# KiCad board hvd-50-ce-panel.kicad_pcb (continued)
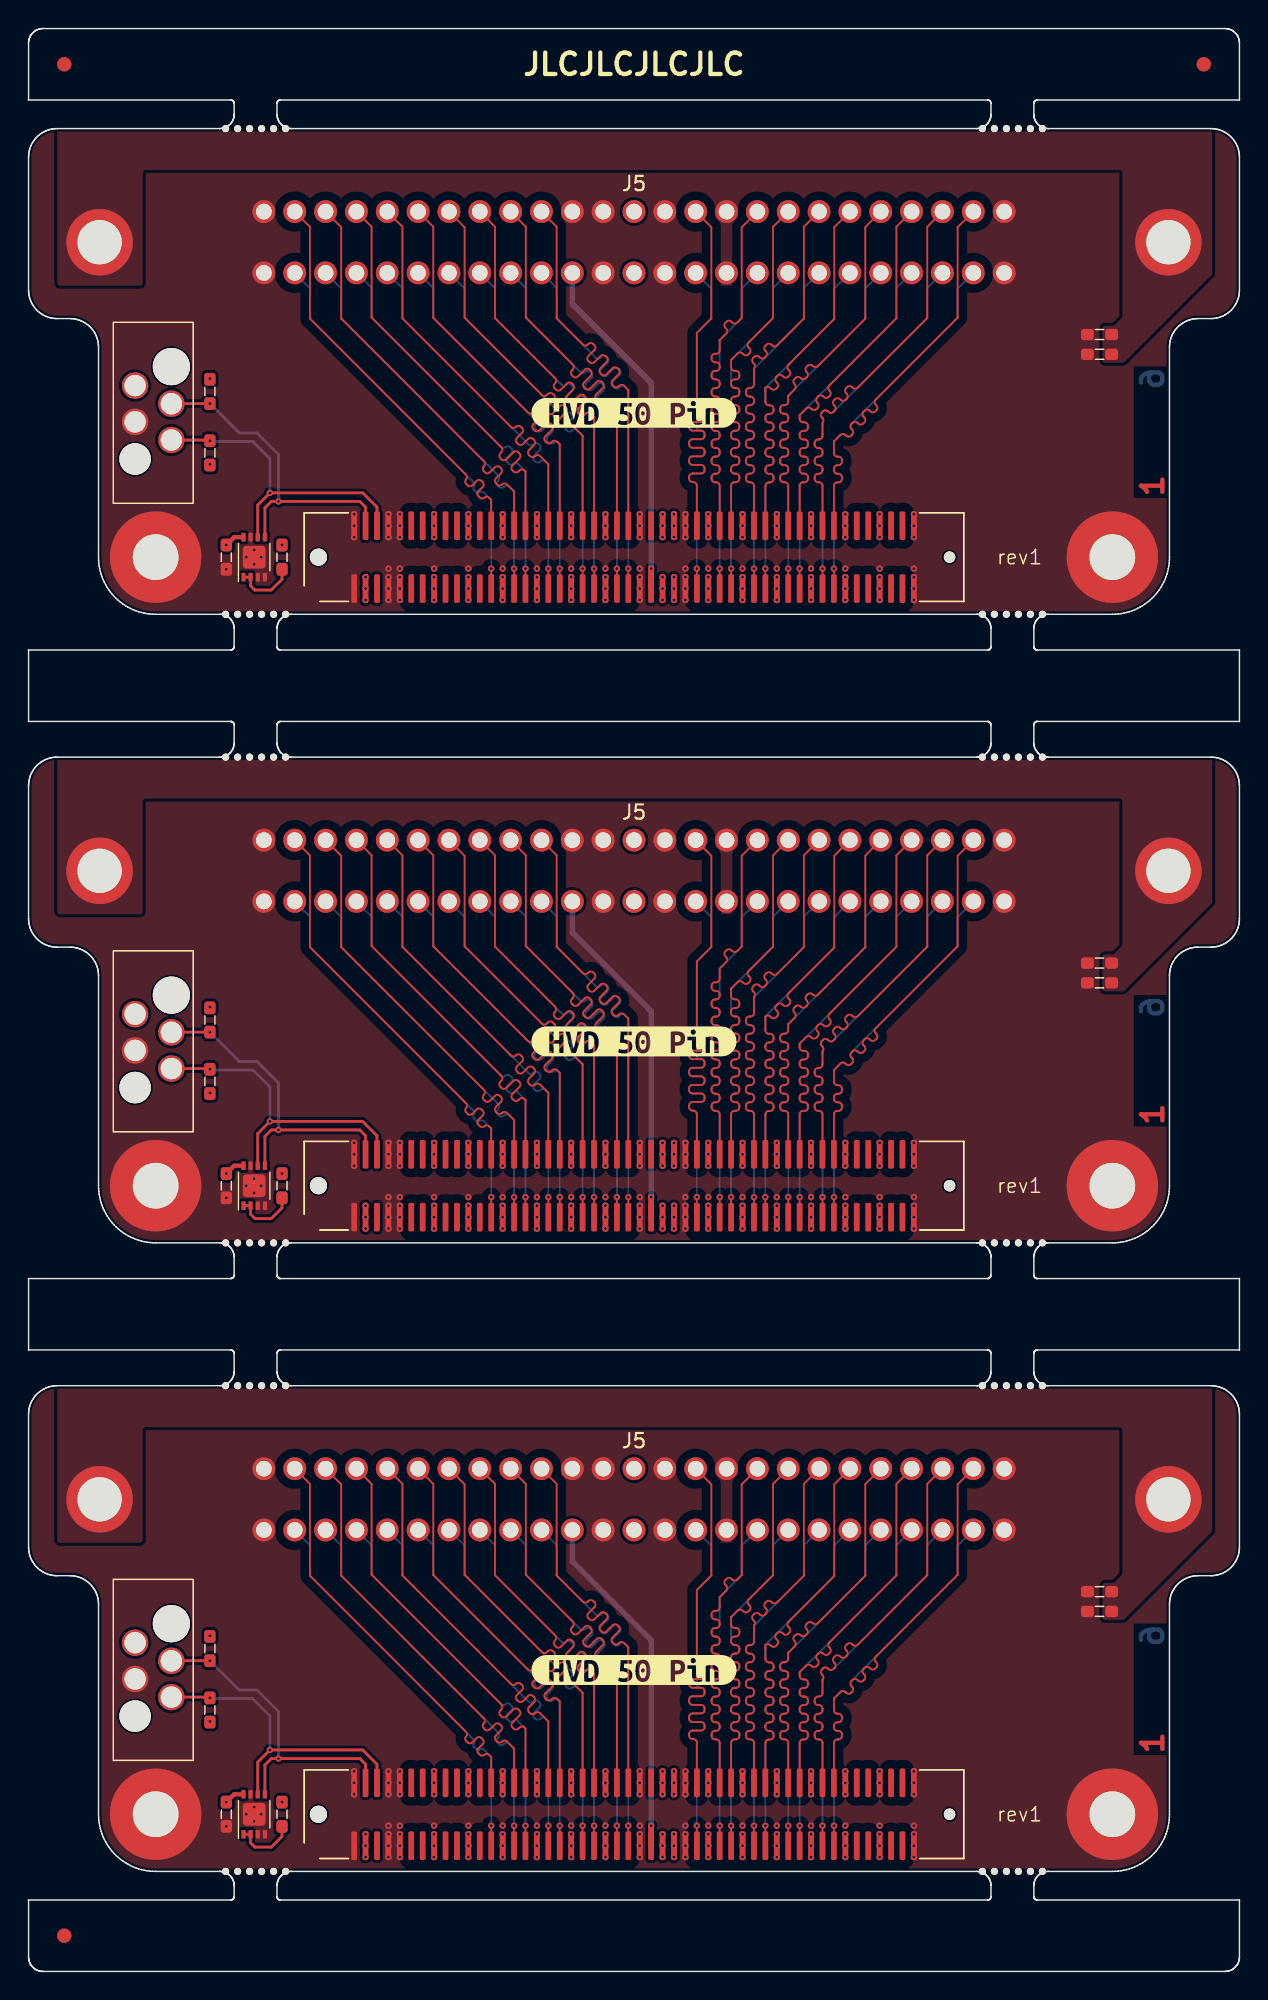
[diagram p0: board, top side]
## Routing (per net, layer and track width the routed paths; a pad name or vN(x,y) marks a point on that pad's centre or on a via; arc(x,y) is an arc through that point) (continued)
Board_2-/CON.REQ+: length 28.2
  Top w0.128: J1#3.83 v1(55.6,10.2)
  Bottom w0.128: v1(55.6,10.2) 55.6,15.99 arc(55.53,16.16) 55.36,16.23 55.31,16.23 arc(55.14,16.3) 55.07,16.47 55.07,16.59 arc(55.14,16.76) 55.31,16.83 55.36,16.83 arc(55.53,16.9) 55.6,17.07 55.6,17.19 arc(55.53,17.36) 55.36,17.43 55.31,17.43 arc(55.14,17.5) 55.07,17.67 55.07,17.79 arc(55.14,17.96) 55.31,18.03 55.36,18.03 arc(55.53,18.1) 55.6,18.27 55.6,18.39 arc(55.53,18.56) 55.36,18.63 55.31,18.63 arc(55.14,18.7) 55.07,18.87 55.07,18.99 arc(55.14,19.16) 55.31,19.23 55.36,19.23 arc(55.53,19.3) 55.6,19.47 55.6,20.4 arc(55.67,20.57) 55.6,20.74 55.56,20.78 arc(55.49,20.95) 55.56,21.12 55.65,21.2 arc(55.82,21.27) 55.99,21.2 56.02,21.17 arc(56.19,21.1) 56.36,21.17 56.45,21.25 62.94,27.74 62.94,29.84 J5.23
Board_2-/CON.REQ-: length 29.6
  Top w0.128: J1#3.84 55.6,16 arc(55.53,16.17) 55.36,16.24 55.29,16.24 arc(55.12,16.31) 55.05,16.48 55.05,16.6 arc(55.12,16.77) 55.29,16.84 55.36,16.84 arc(55.53,16.91) 55.6,17.08 55.6,17.2 arc(55.53,17.37) 55.36,17.44 55.29,17.44 arc(55.12,17.51) 55.05,17.68 55.05,17.8 arc(55.12,17.97) 55.29,18.04 55.36,18.04 arc(55.53,18.11) 55.6,18.28 55.6,18.4 arc(55.53,18.57) 55.36,18.64 55.29,18.64 arc(55.12,18.71) 55.05,18.88 55.05,19 arc(55.12,19.17) 55.29,19.24 55.36,19.24 arc(55.53,19.31) 55.6,19.48 55.6,20.4 arc(55.67,20.57) 55.6,20.74 55.55,20.79 arc(55.48,20.96) 55.55,21.13 55.63,21.22 arc(55.8,21.29) 55.97,21.22 56.02,21.17 arc(56.19,21.1) 56.36,21.17 56.45,21.25 arc(56.52,21.42) 56.45,21.59 56.4,21.64 arc(56.33,21.81) 56.4,21.98 56.48,22.07 arc(56.65,22.14) 56.82,22.06 56.87,22.01 arc(57.04,21.94) 57.21,22.01 57.3,22.1 arc(57.37,22.27) 57.3,22.44 57.25,22.49 arc(57.18,22.66) 57.25,22.83 57.33,22.91 arc(57.5,22.98) 57.67,22.91 57.72,22.86 arc(57.89,22.79) 58.06,22.86 62.94,27.74 62.94,34.13 J5.48
Board_2-/CON.RST+: length 28.2
  Top w0.128: J1#3.71 v1(50.8,10.2)
  Bottom w0.128: J5.19 54.3,29.84 54.3,27.7 50.8,24.2 50.8,23.07 arc(50.73,22.9) 50.56,22.83 50.48,22.83 arc(50.31,22.76) 50.24,22.59 50.24,22.47 arc(50.31,22.3) 50.48,22.23 50.56,22.23 arc(50.73,22.16) 50.8,21.99 50.8,21.87 arc(50.73,21.7) 50.56,21.63 50.48,21.63 arc(50.31,21.56) 50.24,21.39 50.24,21.27 arc(50.31,21.1) 50.48,21.03 50.56,21.03 arc(50.73,20.96) 50.8,20.79 50.8,20.67 arc(50.73,20.5) 50.56,20.43 50.48,20.43 arc(50.31,20.36) 50.24,20.19 50.24,20.07 arc(50.31,19.9) 50.48,19.83 50.56,19.83 arc(50.73,19.76) 50.8,19.59 50.8,19.47 arc(50.73,19.3) 50.56,19.23 50.48,19.23 arc(50.31,19.16) 50.24,18.99 50.24,18.87 arc(50.31,18.7) 50.48,18.63 50.56,18.63 arc(50.73,18.56) 50.8,18.39 50.8,18.27 arc(50.73,18.1) 50.56,18.03 50.48,18.03 arc(50.31,17.96) 50.24,17.79 50.24,17.67 arc(50.31,17.5) 50.48,17.43 50.56,17.43 arc(50.73,17.36) 50.8,17.19 50.8,17.07 arc(50.73,16.9) 50.56,16.83 50.48,16.83 arc(50.31,16.76) 50.24,16.59 50.24,16.47 arc(50.31,16.3) 50.48,16.23 50.56,16.23 arc(50.73,16.16) 50.8,15.99 v1(50.8,10.2)
Board_2-/CON.RST-: length 29.6
  Top w0.128: J5.44 54.3,34.13 54.3,27.71 52.41,25.82 arc(52.24,25.75) 52.07,25.82 52.01,25.88 arc(51.84,25.95) 51.67,25.88 51.59,25.8 arc(51.52,25.63) 51.59,25.46 51.65,25.4 arc(51.72,25.23) 51.65,25.06 51.56,24.97 arc(51.39,24.9) 51.22,24.97 51.16,25.03 arc(50.99,25.1) 50.82,25.03 50.74,24.95 arc(50.67,24.78) 50.74,24.61 50.8,24.55 arc(50.87,24.38) 50.8,24.21 50.8,23.09 arc(50.73,22.92) 50.56,22.85 50.48,22.85 arc(50.31,22.78) 50.24,22.61 50.24,22.49 arc(50.31,22.32) 50.48,22.25 50.56,22.25 arc(50.73,22.18) 50.8,22.01 50.8,21.89 arc(50.73,21.72) 50.56,21.65 50.48,21.65 arc(50.31,21.58) 50.24,21.41 50.24,21.29 arc(50.31,21.12) 50.48,21.05 50.56,21.05 arc(50.73,20.98) 50.8,20.81 50.8,20.69 arc(50.73,20.52) 50.56,20.45 50.48,20.45 arc(50.31,20.38) 50.24,20.21 50.24,20.09 arc(50.31,19.92) 50.48,19.85 50.56,19.85 arc(50.73,19.78) 50.8,19.61 50.8,19.49 arc(50.73,19.32) 50.56,19.25 50.48,19.25 arc(50.31,19.18) 50.24,19.01 50.24,18.89 arc(50.31,18.72) 50.48,18.65 50.56,18.65 arc(50.73,18.58) 50.8,18.41 50.8,18.29 arc(50.73,18.12) 50.56,18.05 50.48,18.05 arc(50.31,17.98) 50.24,17.81 50.24,17.69 arc(50.31,17.52) 50.48,17.45 50.56,17.45 arc(50.73,17.38) 50.8,17.21 50.8,17.09 arc(50.73,16.92) 50.56,16.85 50.48,16.85 arc(50.31,16.78) 50.24,16.61 50.24,16.49 arc(50.31,16.32) 50.48,16.25 50.56,16.25 arc(50.73,16.18) 50.8,16.01 J1#3.72
Board_2-/CON.SEL+: length 28.2
  Top w0.128: J1#3.77 v1(53.2,10.2)
  Bottom w0.128: J5.21 58.6,29.82 58.6,27.7 53.2,22.3 53.2,21.89 arc(53.13,21.72) 52.96,21.65 52.89,21.65 arc(52.72,21.58) 52.65,21.41 52.65,21.29 arc(52.72,21.12) 52.89,21.05 52.96,21.05 arc(53.13,20.98) 53.2,20.81 53.2,20.69 arc(53.13,20.52) 52.96,20.45 52.89,20.45 arc(52.72,20.38) 52.65,20.21 52.65,20.09 arc(52.72,19.92) 52.89,19.85 52.96,19.85 arc(53.13,19.78) 53.2,19.61 53.2,19.49 arc(53.13,19.32) 52.96,19.25 52.89,19.25 arc(52.72,19.18) 52.65,19.01 52.65,18.89 arc(52.72,18.72) 52.89,18.65 52.96,18.65 arc(53.13,18.58) 53.2,18.41 53.2,18.29 arc(53.13,18.12) 52.96,18.05 52.89,18.05 arc(52.72,17.98) 52.65,17.81 52.65,17.69 arc(52.72,17.52) 52.89,17.45 52.96,17.45 arc(53.13,17.38) 53.2,17.21 53.2,17.09 arc(53.13,16.92) 52.96,16.85 52.89,16.85 arc(52.72,16.78) 52.65,16.61 52.65,16.49 arc(52.72,16.32) 52.89,16.25 52.96,16.25 arc(53.13,16.18) 53.2,16.01 v1(53.2,10.2)
Board_2-/CON.SEL-: length 29.6
  Top w0.128: J5.46 58.6,34.11 58.6,27.7 55.27,24.37 arc(55.1,24.3) 54.93,24.37 54.9,24.4 arc(54.73,24.47) 54.56,24.4 54.48,24.32 arc(54.41,24.15) 54.48,23.98 54.51,23.95 arc(54.58,23.78) 54.51,23.61 54.42,23.53 arc(54.25,23.45) 54.08,23.53 54.05,23.56 arc(53.88,23.63) 53.71,23.56 53.63,23.47 arc(53.56,23.3) 53.63,23.13 53.66,23.1 arc(53.73,22.93) 53.66,22.76 53.2,22.3 53.2,21.88 arc(53.13,21.71) 52.96,21.64 52.87,21.64 arc(52.7,21.57) 52.63,21.4 52.63,21.28 arc(52.7,21.11) 52.87,21.04 52.96,21.04 arc(53.13,20.97) 53.2,20.8 53.2,20.68 arc(53.13,20.51) 52.96,20.44 52.87,20.44 arc(52.7,20.37) 52.63,20.2 52.63,20.08 arc(52.7,19.91) 52.87,19.84 52.96,19.84 arc(53.13,19.77) 53.2,19.6 53.2,19.48 arc(53.13,19.31) 52.96,19.24 52.87,19.24 arc(52.7,19.17) 52.63,19 52.63,18.88 arc(52.7,18.71) 52.87,18.64 52.96,18.64 arc(53.13,18.57) 53.2,18.4 53.2,18.28 arc(53.13,18.11) 52.96,18.04 52.87,18.04 arc(52.7,17.97) 52.63,17.8 52.63,17.68 arc(52.7,17.51) 52.87,17.44 52.96,17.44 arc(53.13,17.37) 53.2,17.2 53.2,17.08 arc(53.13,16.91) 52.96,16.84 52.87,16.84 arc(52.7,16.77) 52.63,16.6 52.63,16.48 arc(52.7,16.31) 52.87,16.24 52.96,16.24 arc(53.13,16.17) 53.2,16 J1#3.78
Board_2-/CON.TERMPWR:
  vias: v1(44.4,14) v1(44.4,13.2) v1(44.4,12.4) v1(44.4,9.6) v1(44.4,8.8) v1(44.4,8) v1(45.2,14) v1(45.2,13.2) v1(45.2,12.4) v1(45.2,9.6) v1(45.2,8.8) v1(45.2,8)
Board_2-/PHY.ID_SCL: length 22.5
  Top w0.2: v1(12.7,19.15) 12.35,19.15 12.3,19.2 J3.4 ; J1#3.6 24.4,14.5 23.4,15.5 v1(16.9,15.5) 16.05,14.65 U1.6
  Bottom w0.2: v1(12.7,19.15) 12.75,19.1 15.7,19.1 16.9,17.9 v1(16.9,15.5)
Board_2-/PHY.ID_SDA: length 23
  Top w0.2: v1(12.7,21.75) 10.01,21.75 J3.2 ; J1#3.4 23.6,14.5 23.2,14.9 17,14.9 16.55,14.45 U1.5
  Bottom w0.2: v1(17.5,14.9) 17.5,18.2 16,19.7 14.75,19.7 v1(12.7,21.75)
Board_2-GND:
  vias: v1(13.85,10.15) v1(15.25,11) v1(15.8,11.5) v1(15.8,10.5) v1(16.3,11) v1(22.8,14) v1(22.8,13.2) v1(22.8,12.4) v1(25.2,14) v1(25.2,13.2) v1(25.2,12.4) v1(25.2,10.2) v1(25.2,9.6) v1(25.2,8.8) v1(25.2,8) v1(26,14) v1(26,13.2) v1(26,12.4) v1(26,10.2) v1(26,9.6) v1(26,8.8) v1(26,8) v1(28.4,14) v1(28.4,13.2) v1(28.4,12.4) v1(28.4,10.2) v1(28.4,9.6) v1(28.4,8.8) v1(28.4,8) v1(30.8,14) v1(30.8,13.2) v1(30.8,12.4) v1(30.8,10.2) v1(30.8,9.6) v1(30.8,8.8) v1(30.8,8) v1(33.2,14) v1(33.2,13.2) v1(33.2,12.4) v1(33.2,10.2) v1(33.2,9.6) v1(33.2,8.8) v1(33.2,8) v1(35.6,14) v1(35.6,13.2) v1(35.6,12.4) v1(35.6,10.2) v1(35.6,9.6) v1(35.6,8.8) v1(35.6,8) v1(38,14) v1(38,13.2) v1(38,12.4) v1(38,10.2) v1(38,9.6) v1(38,8.8) v1(38,8) v1(40.4,14) v1(40.4,13.2) v1(40.4,12.4) v1(40.4,10.2) v1(40.4,9.6) v1(40.4,8.8) v1(40.4,8) v1(42.8,14) v1(42.8,13.2) v1(42.8,12.4) v1(42.8,10.2) v1(42.8,9.6) v1(42.8,8.8) v1(42.8,8) v1(46,14) v1(46,13.2) v1(46,12.4) v1(46,10.2) v1(46,9.6) v1(46,8.8) v1(46,8) v1(47.6,14) v1(47.6,13.2) v1(47.6,12.4) v1(47.6,10.2) v1(47.6,9.6) v1(47.6,8.8) v1(47.6,8) v1(50,14) v1(50,13.2) v1(50,12.4) v1(50,10.2) v1(50,9.6) v1(50,8.8) v1(50,8) v1(52.4,14) v1(52.4,13.2) v1(52.4,12.4) v1(52.4,10.2) v1(52.4,9.6) v1(52.4,8.8) v1(52.4,8) v1(54.8,14) v1(54.8,13.2) v1(54.8,12.4) v1(54.8,10.2) v1(54.8,9.6) v1(54.8,8.8) v1(54.8,8) v1(57.2,14) v1(57.2,13.2) v1(57.2,12.4) v1(57.2,10.2) v1(57.2,9.6) v1(57.2,8.8) v1(57.2,8) v1(59.6,14) v1(59.6,13.2) v1(59.6,12.4) v1(59.6,10.2) v1(59.6,9.6) v1(59.6,8.8) v1(59.6,8) v1(62,14) v1(62,13.2) v1(62,12.4) v1(62,10.2) v1(62,9.6) v1(62,8.8) v1(62,8)
Board_2-Net-(U1-E0): length 4.4
  Top w0.2: R1.1 17.75,9.45 17,8.7 15.85,8.7 15.55,9 U1.2 U1.1

## Copper pours and planes (outline as drawn; the poured copper is in the pictures)
Board_0-+3V3 on In2.Cu: 23.9,95.7 8.9,95.7 5.6,99 5.6,112.2 13.9,112.2 13.9,102 19.7,102 23.9,97.8
Board_0-/CON.TERMPWR on In2.Cu: 0,115.7 2.9,115.7 4.9,113.7 4.9,95 79.9,95 79.9,113.7 81.9,115.7 84.8,115.7 84.8,129 0,129
Board_0-GND on Top, Bottom, In1.Cu, In3.Cu, In4.Cu: 84.8,115.7 81.9,115.7 79.9,113.7 79.9,95 4.9,95 4.9,113.7 2.9,115.7 0,115.7 0,129 84.8,129
Board_0-Net-(C2-Pad1) on Top: 76.6,115.8 76,115.2 75.2,115.2 75.2,112.6 76.7,112.6 82.9,118.8 82.9,129 2,129 2,118 8,118 8,126.1 76.6,126.1
Board_1-+3V3 on In2.Cu: 23.9,51.7 8.9,51.7 5.6,55 5.6,68.2 13.9,68.2 13.9,58 19.7,58 23.9,53.8
Board_1-/CON.TERMPWR on In2.Cu: 0,71.7 2.9,71.7 4.9,69.7 4.9,51 79.9,51 79.9,69.7 81.9,71.7 84.8,71.7 84.8,85 0,85
Board_1-GND on Top, Bottom, In1.Cu, In3.Cu, In4.Cu: 84.8,71.7 81.9,71.7 79.9,69.7 79.9,51 4.9,51 4.9,69.7 2.9,71.7 0,71.7 0,85 84.8,85
Board_1-Net-(C2-Pad1) on Top: 76.6,71.8 76,71.2 75.2,71.2 75.2,68.6 76.7,68.6 82.9,74.8 82.9,85 2,85 2,74 8,74 8,82.1 76.6,82.1
Board_2-+3V3 on In2.Cu: 23.9,7.7 8.9,7.7 5.6,11 5.6,24.2 13.9,24.2 13.9,14 19.7,14 23.9,9.8
Board_2-/CON.TERMPWR on In2.Cu: 0,27.7 2.9,27.7 4.9,25.7 4.9,7 79.9,7 79.9,25.7 81.9,27.7 84.8,27.7 84.8,41 0,41
Board_2-GND on Top, Bottom, In1.Cu, In3.Cu, In4.Cu: 84.8,27.7 81.9,27.7 79.9,25.7 79.9,7 4.9,7 4.9,25.7 2.9,27.7 0,27.7 0,41 84.8,41
Board_2-Net-(C2-Pad1) on Top: 76.6,27.8 76,27.2 75.2,27.2 75.2,24.6 76.7,24.6 82.9,30.8 82.9,41 2,41 2,30 8,30 8,38.1 76.6,38.1

## Text on the board
Bottom: 6
Top: 1
F.Silkscreen: rev1 | JLCJLCJLCJLC
In1.Cu: 2
In2.Cu: 3
In3.Cu: 4
In4.Cu: 5
